# Altium PCB DustCollectorSwitch.PcbDoc
Units mil, origin at the board's own origin, x right, y up, seen from the top; angles counter-clockwise.
Board outline 2100 x 2705.2 mil, 2 copper layers (Top Layer, Bottom Layer); 59 components, 33 nets, 149 pads, 86 vias.
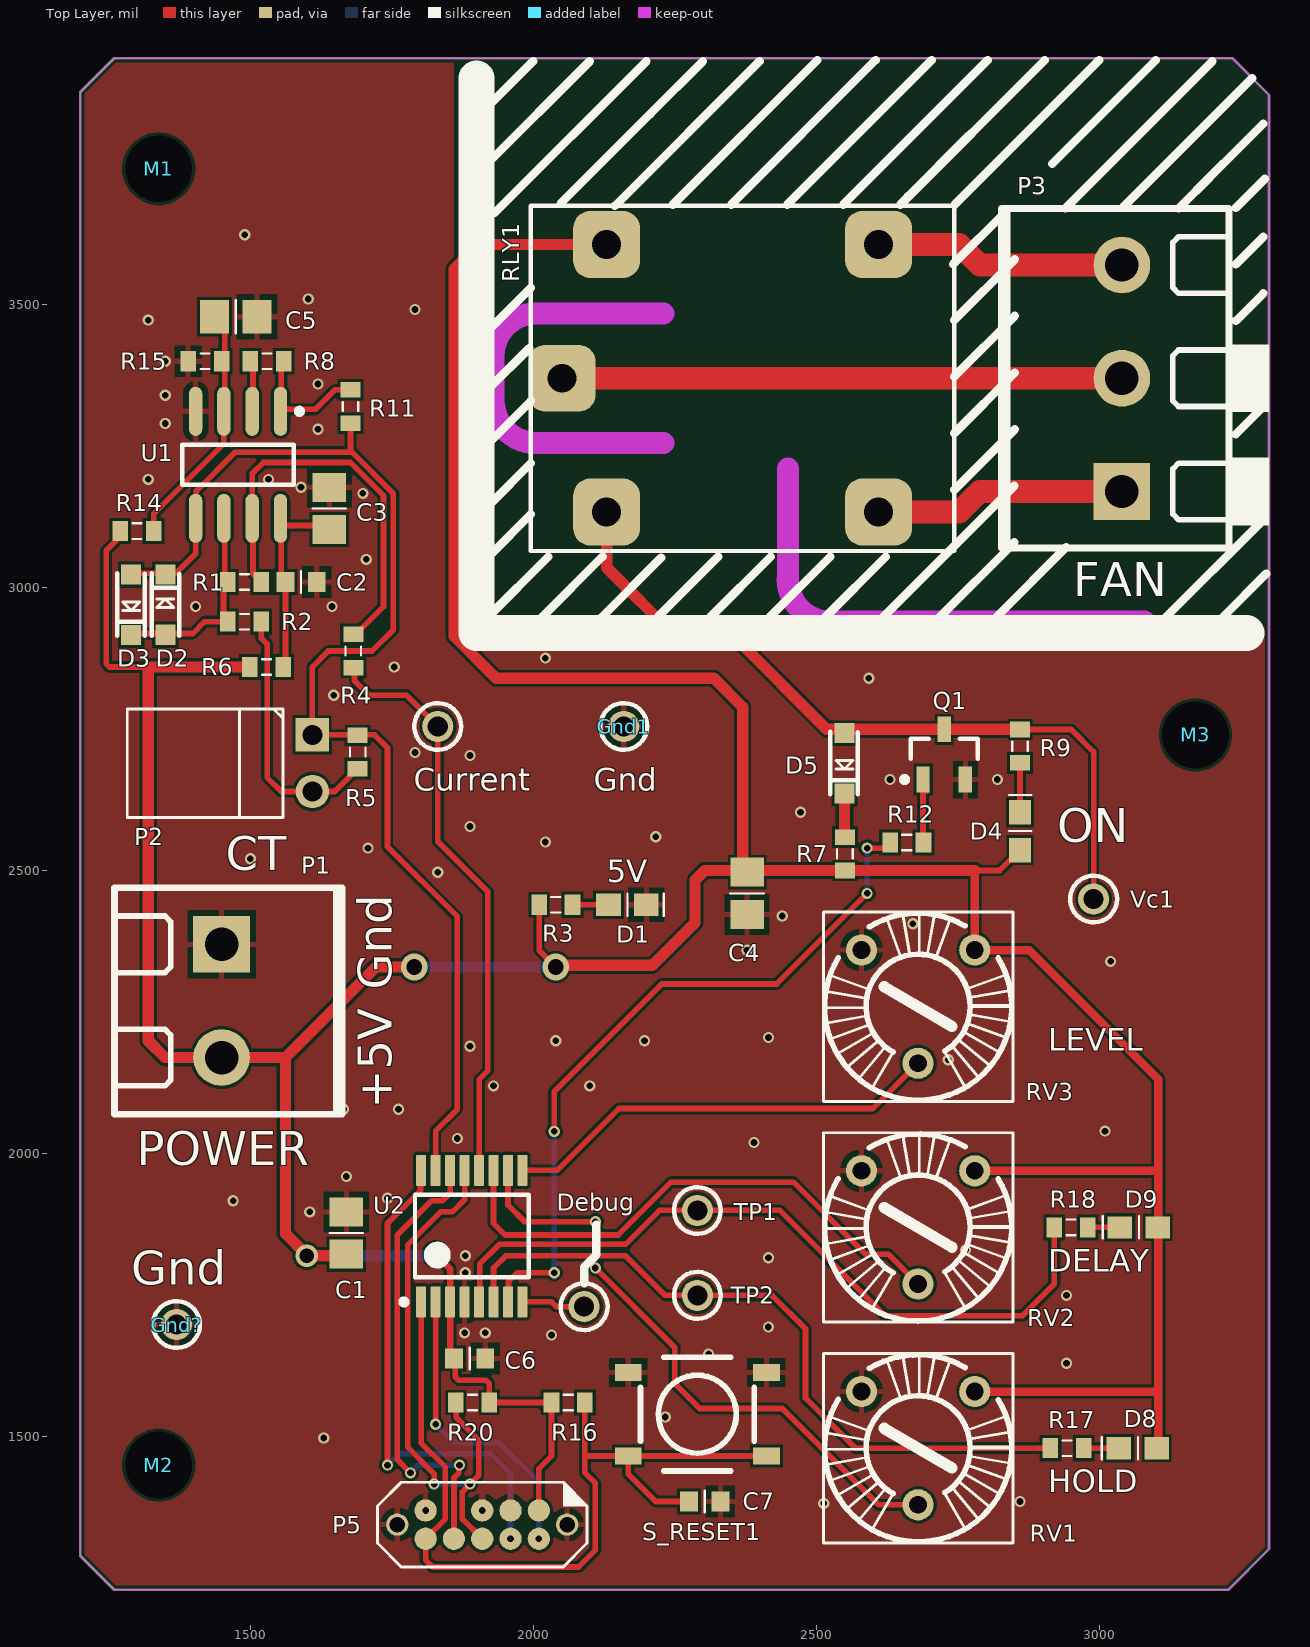
[diagram p0: Top Layer view]
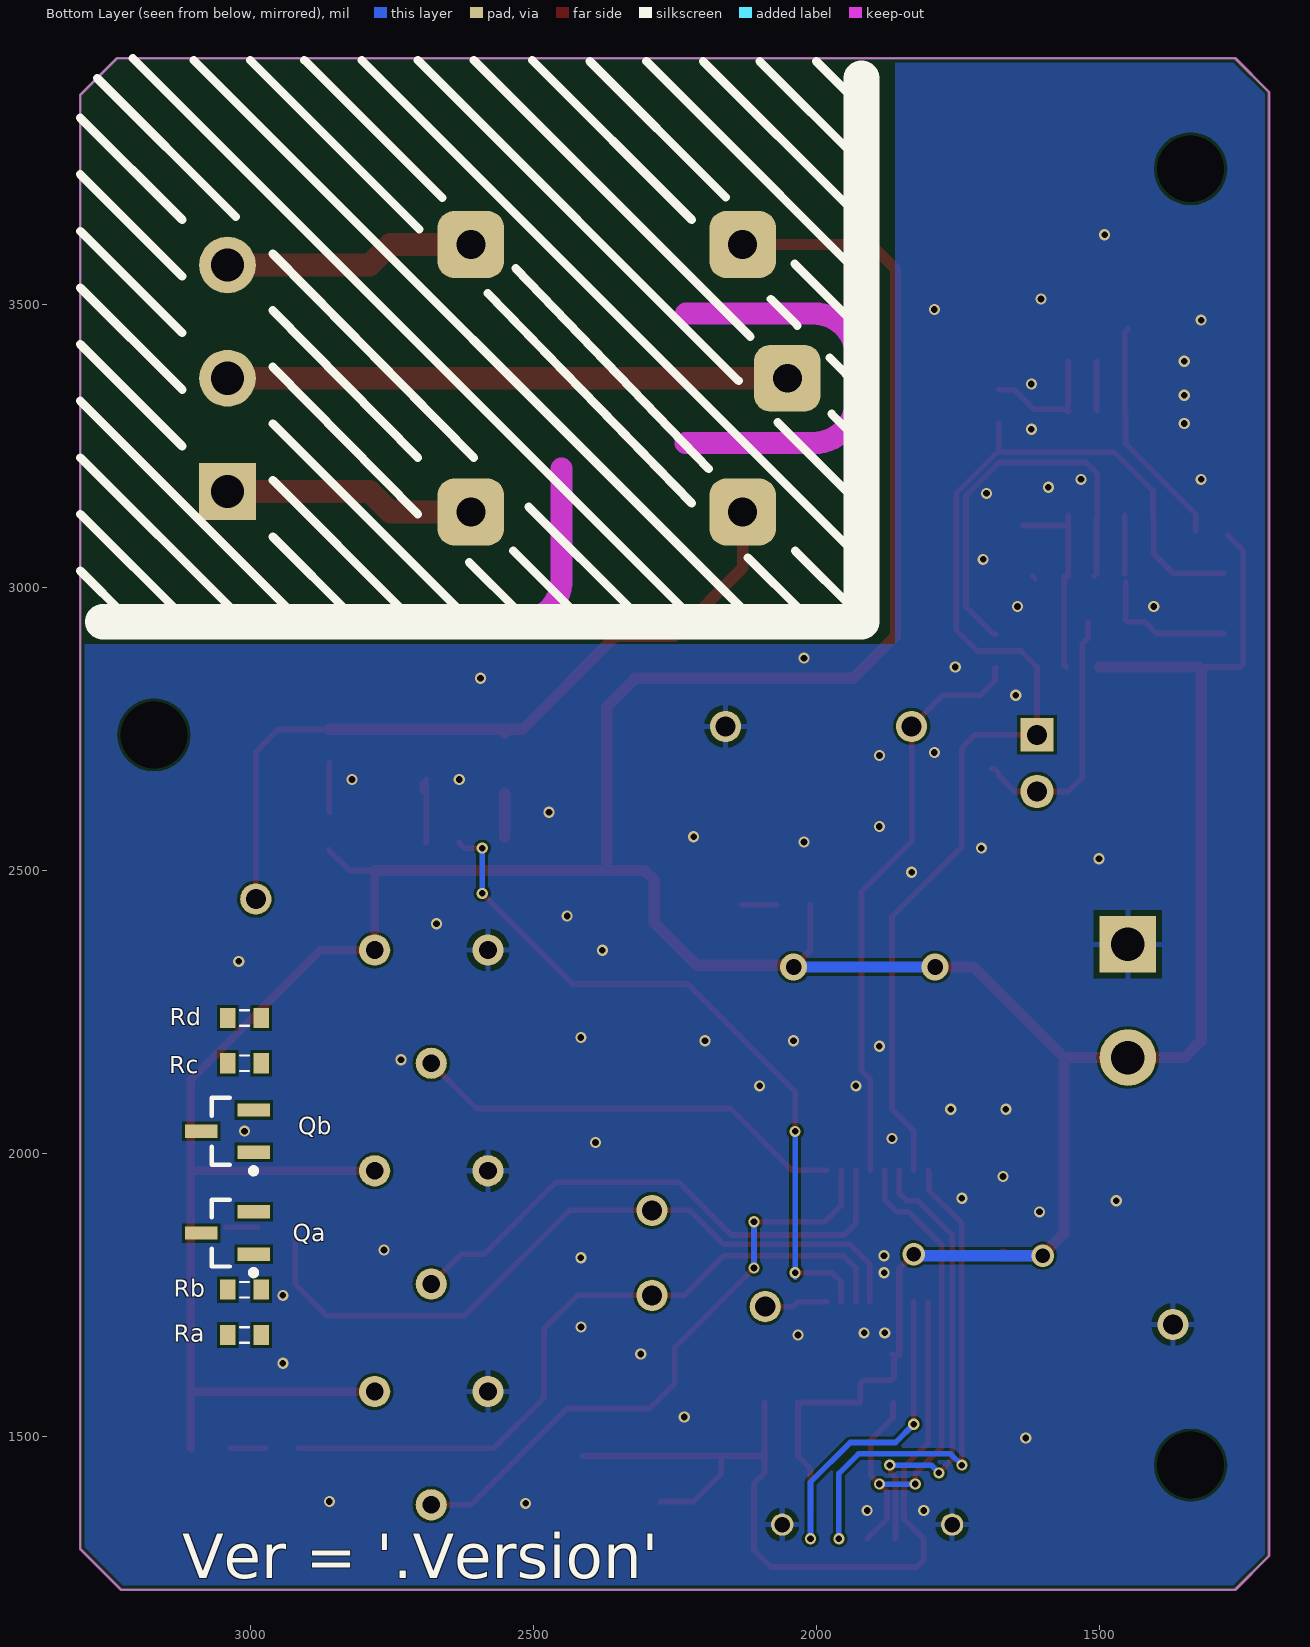
[diagram p1: Bottom Layer view, seen from below]
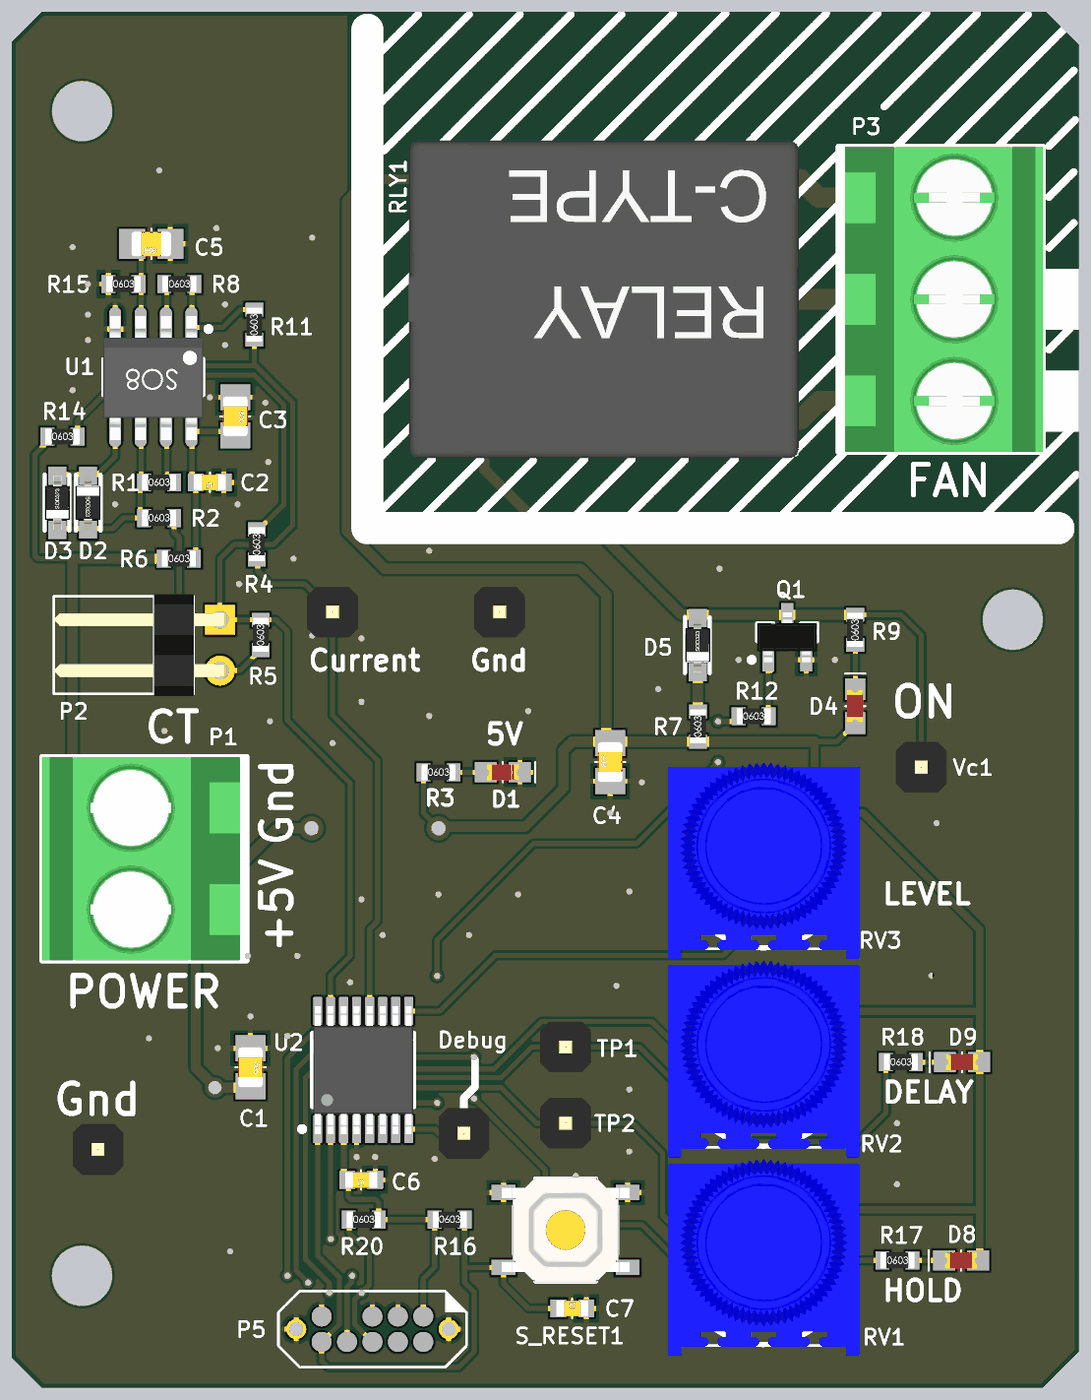
[diagram p2: 3D render of the assembled board from above, using the file's embedded part models]
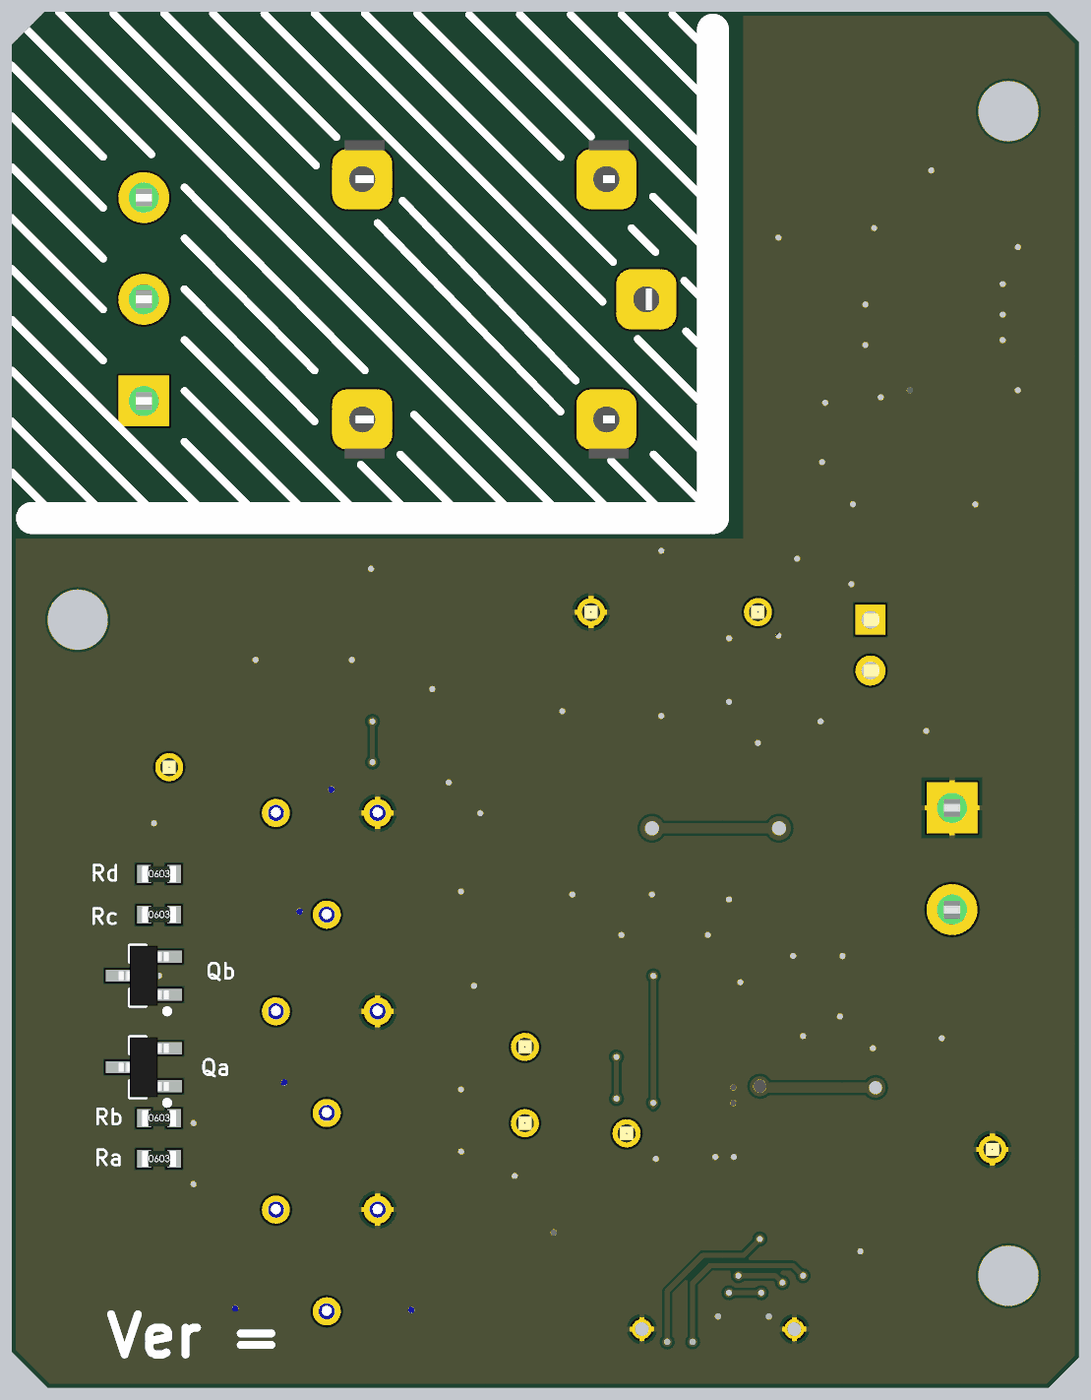
[diagram p3: 3D render of the assembled board from below, using the file's embedded part models]

## Layer stack, top to bottom
Top Solder: solder mask 0.4, Solder Resist, Dk 3.5
Top Layer: signal copper 1.4
Dielectric1: dielectric 12.6, FR-4, Dk 4.8
Bottom Layer: signal copper 1.4
Bottom Solder: solder mask 0.4, Solder Resist, Dk 3.5

## Board outline
1259.84,1230 1200,1289.84 1200,3875.35 1259.84,3935.2 3235.43,3935.2 3300,3870.63 3300,1301.65 3228.35,1230

## Design rules (kind name [scope] priority, off if disabled: settings)
Clearance [All] p1: gap=5 ignorepadtopadclearanceinfootprint=FALSE
HoleSize [All] p1: absolutevalues=TRUE maxlimit=137.8 minlimit=1 maxpercent=80.000 minpercent=20.000
MinimumSolderMaskSliver [All] p1 off: minsoldermaskwidth=10
PolygonConnect PolygonConnect_Via [IsPolygon vs IsVia] p1: connectstyle=Direct reliefconductorwidth=10 reliefentries=4 polygonreliefangle="90 Angle" airgapwidth=10
PolygonConnect [All] p2: connectstyle=Relief reliefconductorwidth=10 reliefentries=4 polygonreliefangle="90 Angle" airgapwidth=10
RoomDefinition DustCollectorSwitch [InComponentClass('DustCollectorSwitch')] p1: confinementstyle=ConfineIn formatcopy=TRUE lockcomponents=FALSE outline 1000,1099 3500,1099 3500,4165 1000,4165
RoutingVias [All] p1: holewidth=28 width=50 viastyle="Through Hole" minholewidth=28 minwidth=50 maxholewidth=28 maxwidth=50
SilkToSolderMaskClearance SilkscreenOverComponentPads [IsPad] p1 off: minsilkscreentomaskgap=10 clearancetoexposedcopper=TRUE
SolderMaskExpansion SolderMaskExpansion_Via [isVia] p1: expansion=4 istentingtop=TRUE
SolderMaskExpansion [All] p2: expansion=4 istentingtop=FALSE
Width [All] p1: maxlimit=40 minlimit=10 preferedwidth=10
27 further rules are at their usual default settings.

## Components (designator, comment, footprint, x,y, rotation, side; value= is the part's Value field where it differs from the comment)
C1 "2.2uF" CCNP2012-0805 1670,1860 r270 top
C2 "100nF" CCNP1608-0603_N 1590,3010 r180 top
C3 "1uF" CCNP2012-0805 1640,3140 r270 top
C4 "2.2uF" CCNP2012-0805 2377.84,2460 r90 top
C5 "1uF" CCNP2012-0805 1474.72,3478.78 r180 top
C6 "100nF" CCNP1608-0603_N 1887.76,1638.5 r180 top
C7 "100nF" CCNP1608-0603_N 2303.07,1385.82 r0 top
Current "" "PCBPIN - 0.9mm" 1831.46,2755 r90 top
D1 "LED Red" LED1608-0603-RED 2166.54,2440 r180 top
D2 "1N4148WS" SOD-323 1350,2970 r270 top
D3 "1N4148WS" SOD-323 1290,2970 r90 top
D4 "LED Red" LED1608-0603-RED 2860,2570 r270 top
D5 "1N4148WS" SOD-323 2550,2690 r90 top
D8 "LED Red" LED1608-0603-RED 3068.19,1480 r0 top
D9 "LED Red" LED1608-0603-RED 3070,1870 r0 top
Debug "Vdd" "PCBPIN - 0.9mm" 2090,1730 r0 top
Gnd1 "Gnd" "PCBPIN - 0.9mm" 2160,2755 r0 top
Gnd? "Gnd" "PCBPIN - 0.9mm" 1370,1698.31 r0 top
M1 "Mounting hole" "3mm hole" 1338.58,3740 r0 top
M2 "Mounting hole" "3mm hole" 1338.58,1450 r0 top
M3 "Mounting hole" "3mm hole" 3170,2740 r0 top
P1 "Terminal2_5.08mm" MOLEX-39544-3002 1449.53,2370 r180 top
P2 "Header, 2-Pin, Right Angle" HDR1X2H 1610,2740 r270 top
P3 "Terminal3_5.08mm" MOLEX-39544-3003 3040,3170 r0 top
P5 "SWD Connector 2x5-Pin" SWD-2x5-Jig-Pads 2010,1370 r180 top
Q1 "MMBT3904LT1G" SOT23_N 2726.13,2705.43 r270 top
Qa "DNP" SOT23_M 3040,1860 r180 bottom
Qb "DNP" SOT23_M 3040,2040 r180 bottom
R1 "10k" CR1608-0603_N 1490,3010 r0 top
R2 "5.6k" CR1608-0603_N 1490,2940 r0 top
R3 "1K" CR1608-0603_N 2040,2440 r0 top
R4 "470R" CR1608-0603_N 1682.28,2888.06 r90 top
R5 "51R" CR1608-0603_N 1690,2710 r90 top
R6 "220R" CR1608-0603_N 1529.09,2860 r0 top
R7 "220R" CR1608-0603_N 2550.63,2530 r90 top
R8 "1K" CR1608-0603_N 1530,3400 r0 top
R9 "1K" CR1608-0603_N 2860,2720 r90 top
R11 "0R" CR1608-0603_N 1677.28,3320 r90 top
R12 "220R" CR1608-0603_N 2660,2550 r0 top
R14 "10k" CR1608-0603_N 1300,3100 r0 top
R15 "5.6k" CR1608-0603_N 1420,3400 r0 top
R16 "10k" CR1608-0603_N 2061.84,1560.59 r0 top
R17 "1K" CR1608-0603_N 2943.19,1480 r0 top
R18 "1K" CR1608-0603_N 2950,1870 r0 top
R20 "2.2k" CR1608-0603_N 1892.72,1560.59 r0 top
Ra "DNP" CR1608-0603_N 3010,1680 r180 bottom
Rb "DNP" CR1608-0603_N 3010,1760 r180 bottom
Rc "DNP" CR1608-0603_N 3010,2160 r180 bottom
Rd "DNP" CR1608-0603_N 3010,2240 r180 bottom
RLY1 "ORWH-SH-105D1F,000" "RELAY - ORWH-SH" 2370,3370 r0 top
RV1 "1K" Bourne-3386F-1-xxxTLF 2680,1480 r270 top
RV2 "1K" Bourne-3386F-1-xxxTLF 2680,1870 r270 top
RV3 "1K" Bourne-3386F-1-xxxTLF 2680,2260 r270 top
S_RESET1 "SMD-SW-4_5.1x5.1x3.5_M" SMD-SW-4_5.1x5.1x3.5_M 2290,1540 r180 top
TP1 "" "PCBPIN - 0.9mm" 2290,1900 r0 top
TP2 "" "PCBPIN - 0.9mm" 2290,1750 r0 top
U1 "LM2904DR2G" "SOIC127P600-8N - ROT90" 1478.7,3217.13 r180 top
U2 "MKE04Z8VTG4" TSSOP16_N 1891.65,1854.53 r90 top
Vc1 "" "PCBPIN - 0.9mm" 2990,2450 r0 top

## Footprints (in the part's own frame and the unit in brackets; to place one, negate y for a bottom-side part, rotate by r counter-clockwise, add the part's x,y. Pads: shape width x height; smd on the part's side, far side on the other; paste and mask are expansions set on the pad)
"3mm hole" [mil]
  round 60 hole 118.11: 0(0,0)
Bourne-3386F-1-xxxTLF [mm] "Nourne 3386F-1-xxxTLF"
  round 1.4 hole 0.8: CCW(-2.54,-2.54) CW(-2.54,2.54) W(2.54,0)
  silkscreen extent -4.25,-4.25 4.25,4.25, body extent -5.08,-4.79 4.75,4.79, height 4.42
CCNP1608-0603_N [mm]
  rect 0.8x0.9 smd: 1(-0.7,0) 2(0.7,0)
  silkscreen extent 0,-0.48 0,0.48, body extent -0.8,-0.4 0.8,0.4, height 0.3
CCNP2012-0805 [mm]
  rect 1.3x1.5 smd: 1(-0.95,0) 2(0.95,0)
  silkscreen extent 0,-0.75 0,0.75, body extent -1,-0.62 1,0.63, height 0.78
CR1608-0603_N [mm]
  rect 0.7x0.9 smd: 1(-0.75,0) 2(0.75,0)
  silkscreen extent -0.2,-0.35 0.2,0.35, body extent -0.85,-0.4 0.85,0.4, height 0.56
HDR1X2H [mm] "Header; 2 Position; Right Angle"
  rect 1.5x1.5 hole 0.9: 1(0,0)
  round 1.5 hole 0.9: 2(2.54,0)
  silkscreen extent -1.17,-8.31 3.71,-1.32, body extent -1.27,-8.3 3.81,0.33, height 2.54
LED1608-0603-RED [mm] "SMT-LED 0603"
  rect 1.1x1 smd: A(0.85,0) K(-0.85,0)
  silkscreen extent -1.62,-0.5 0,0.5, body extent -0.8,-0.4 0.8,0.4, height 0.7
MOLEX-39544-3002 [mm] "Wire-To-Board Terminal Block"
  rect 2.54x2.54 hole 1.5: 1(0,0)
  round 2.54 hole 1.5: 2(0,5.08)
  silkscreen extent -5.4,-2.54 4.83,7.62, body extent -5.08,-2.54 4.83,7.62, height 14.6
MOLEX-39544-3003 [mm] "Wire-To-Board Terminal Block"
  rect 2.54x2.54 hole 1.5: 1(0,0)
  round 2.54 hole 1.5: 2(0,5.08) 3(0,10.16)
  silkscreen extent -5.4,-2.54 4.83,12.7, body extent -5.08,-2.54 4.83,12.7, height 14.6
"PCBPIN - 0.9mm" [mm]
  round 1.4 hole 0.9: 1(0,0)
  silkscreen extent -1.05,-1.05 1.05,1.05, body extent -1.27,-1.27 1.27,1.27, height 6
"RELAY - ORWH-SH" [mm] "Relay, PCB Mount, ORWH Series"
  rrect50% 3x3 hole 1.3: C1(-6.1,6) C2(-6.1,-6) COM(-8.1,0) NC(6.1,6) NO(6.1,-6)
  silkscreen extent -9.5,-7.75 9.5,7.75, body extent -9.88,-7.95 9.62,7.95, height 15
SMD-SW-4_5.1x5.1x3.5_M [mm] "Miniature SMD PCB Push Button - C318886"
  rect 1.2x0.762 smd: 1(3.1,-1.875) 1b(-3.1,-1.875) 2(3.1,1.875) 2b(-3.1,1.875)
  silkscreen extent -2.55,-2.55 2.55,2.55, body extent -3.2,-2.65 3.2,2.65, height 3.5
SOD-323 [mm]
  rect 0.9x0.9 smd: A(1.347,0.004) K(-1.353,0.004)
  silkscreen extent -1.4,-0.6 1.4,0.64, body extent -1.35,-0.62 1.35,0.63, height 1.1
"SOIC127P600-8N - ROT90" [mm] "SOIC, 8-Leads, Body 4.9x3.9mm, Pitch 1.27mm, IPC Medium Density"
  oval 0.6x2.2 smd: 1(-1.905,-2.4) 2(-0.635,-2.4) 3(0.635,-2.4) 4(1.905,-2.4) 5(1.905,2.4) 6(0.635,2.4) 7(-0.635,2.4) 8(-1.905,2.4)
  silkscreen extent -2.88,-2.52 2.5,0.9, body extent -2.5,-3.06 2.5,3.14, height 1.75
SOT23_M [mm] "SOT23, 3-Leads, Body 2.9x1.3mm, Pitch 0.95mm, Lead Span 2.3mm - IPC Low Density"
  rect 1.45x0.6 smd: 1(1.175,-0.95) 2(1.175,0.95) 3(-1.175,0)
  silkscreen extent -0.7,-1.9 1.29,1.5, body extent -1.25,-1.5 1.25,1.5, height 1.05
SOT23_N [mm] "SOT23, 3-Leads, Body 2.9x1.3mm, Pitch 0.95mm, Lead Span 2.3mm - IPC Medium Density"
  rect 1.15x0.6 smd: 1(1.125,-0.95) 2(1.125,0.95) 3(-1.125,0)
  silkscreen extent -0.7,-1.9 1.25,1.5, body extent -1.25,-1.5 1.25,1.5, height 1.05
SWD-2x5-Jig-Pads [mm] "Connector; SWD; 2x5 Position"
  round 1 hole 0.69: 0(-1.27,0.635) 0(6.35,0.635)
  round 1 smd: 1(0,0) 2(0,1.27) 3(1.27,0) 4(1.27,1.27) 5(2.54,0) 6(2.54,1.27) 8(3.81,1.27) 9(5.08,0) 10(5.08,1.27)
  silkscreen extent -2.16,-1.26 7.24,2.53
TSSOP16_N [mm] "SOP, 16-Leads, Body 5.1x4.5mm, Pitch 0.65mm, IPC Medium Density"
  rrect22% 1.4x0.45 smd: 1(-2.95,2.275) 2(-2.95,1.625) 3(-2.95,0.975) 4(-2.95,0.325) 5(-2.95,-0.325) 6(-2.95,-0.975) 7(-2.95,-1.625) 8(-2.95,-2.275) 9(2.95,-2.275) 10(2.95,-1.625) 11(2.95,-0.975) 12(2.95,-0.325) 13(2.95,0.325) 14(2.95,0.975) 15(2.95,1.625) 16(2.95,2.275)
  silkscreen extent -3.07,-2.55 1.85,3.17, body extent -3.2,-2.5 3.2,2.5, height 1.1

## Part data
C1 C4: library part Cap_CCNP_0805_2u2F, "50V 2.2uF X5R ±10% 0805 MLCC", LCSC=C377773, Manufacturer="Generic Components", Class=Passive, Published=08/06/2000, Publisher="Altium Hobart Technology Centre", SubClass=Capacitor
C2 C6 C7: library part Cap_CCNP_0603_100nF, "Capacitor non-polar SMT 0603", LCSC=C14663, Manufacturer="Generic Components", Class=Passive, Published=08/06/2000, Publisher="Altium Hobart Technology Centre", SubClass=Capacitor
C3 C5: library part Cap_CCNP_0805_1uF, "Capacitor non-polar SMT 0805", LCSC=C28323, Manufacturer="Generic Components", Class=Passive, Published=08/06/2000, Publisher="Altium Hobart Technology Centre", SubClass=Capacitor
Current Debug Gnd1 Gnd? TP1 TP2 Vc1: library part TP, "Test Point"
D1 D4 D8 D9: library part LED-0603-Red, "LED 0603 Red", LCSC=C2286, Manufacturer="Generic Components", Class I=Optoelectronic, Class II=LED, Farnell PN=1581239, Published=8-Jun-2000, Publisher="Altium Limited", Revision="July-2002: Re-released for DXP Platform."
D2 D3 D5: "Diode - Switching 100V 150mA 1.25V@150mA 4ns SOD-323", LCSC=C2128, Class=Discrete, Farnell PN=2889105, SubClass="Diode - Switching"
M1 M2 M3: library part Mounting_Hole
P1: "MULTICOMP MC24366 TERMINAL BLOCK EUROSTYLE, 2 POSITION, 26-12AWG, 5.08mm", Farnell PN=2396251
P2: library part "Header 1x2H", LatestRevisionDate=17-Jul-2002, LatestRevisionNote="Re-released for DXP Platform.", Publisher="Altium Limited"
P3: "MULTICOMP MC24367 TERMINAL BLOCK EUROSTYLE, 3 POSITION, 26-12AWG, 5.08mm"
P5: library part SWD2X5_JIG, Farnell PN=1865285, LatestRevisionDate=17-Jul-2002, LatestRevisionNote="Re-released for DXP Platform.", Publisher="Altium Limited"
Q1: "General Purpose Transistor, NPN Silicon, 3-Pin SOT-23, Pb-Free, Tape and Reel", LCSC=C20526, Manufacturer="On Semiconductor", ComponentLink1Description="Manufacturer URL", ComponentLink1URL=http://www.onsemi.com/, ComponentLink2Description=Datasheet, ComponentLink2URL=http://www.onsemi.cn/pub_link/Collateral/MMBT3904LT1-D.PDF, ComponentLink3Description="Package Specification", ComponentLink3URL=http://www.onsemi.cn/pub_link/Collateral/318-08.PDF, DatasheetVersion="Rev. 12", fT Min (MHz)=300, IC Continuous (A)=0.2, Mounting Technology="Surface Mount", PackageDescription="3-Pin Small Outline Transistor, Body 2.92 x 1.3 mm, Pitch 0.95 mm", PackageReference=SOT-23-3-318-08, PackageVersion="Rev. AP, 11/2009", Packing="Tape and Reel", PartNumber=MMBT3904LT1G, Polarity=NPN, RoHS=TRUE
Qa Qb: library part MMBT3904LT1G, "SOT23", ComponentLink1Description="Manufacturer URL", ComponentLink1URL=http://www.onsemi.com/, ComponentLink2Description=Datasheet, ComponentLink2URL=http://www.onsemi.cn/pub_link/Collateral/MMBT3904LT1-D.PDF, ComponentLink3Description="Package Specification", ComponentLink3URL=http://www.onsemi.cn/pub_link/Collateral/318-08.PDF
R1 R14 R16: library part Res_CR0603_10k, "100mW SMT ±1% 0603 Chip Resistor", LCSC=C25804, Manufacturer="Generic Components", Class=Passive, Published=08/06/2000, Publisher="Altium Hobart Technology Centre", SubClass=Resistor
R2 R15: library part Res_CR0603_5k6, "100mW SMT ±1% 0603 Chip Resistor", LCSC=C23189, Manufacturer="Generic Components", Class=Passive, Published=08/06/2000, Publisher="Altium Hobart Technology Centre", SubClass=Resistor
R3 R8 R9 R17 R18: library part Res_CR0603, "Resistor SMT 0603", LCSC=C21190, Manufacturer="Generic Components", Class=Passive, Published=08/06/2000, Publisher="Altium Hobart Technology Centre", SubClass=Resistor
R4: library part Res_CR0603_470R, "Resistor SMT 0603", LCSC=C23179, Manufacturer="Generic Components", Class=Passive, Published=08/06/2000, Publisher="Altium Hobart Technology Centre", SubClass=Resistor
R5: library part Res_CR0603_51R, "100mW SMT ±1% 0603 Chip Resistor", LCSC=C23197, Manufacturer="Generic Components", Class=Passive, Published=08/06/2000, Publisher="Altium Hobart Technology Centre", SubClass=Resistor
R6 R7 R12: library part Res_CR0603_220R, "Resistor SMT 0603", LCSC=C22962, Manufacturer="Generic Components", Class=Passive, Published=08/06/2000, Publisher="Altium Hobart Technology Centre", SubClass=Resistor
R11: library part Res_CR0603_0R, "100mW SMT ±1% 0603 Chip Resistor", LCSC=C21189, Manufacturer="Generic Components", Class=Passive, Published=08/06/2000, Publisher="Altium Hobart Technology Centre", SubClass=Resistor
R20: library part Res_CR0603_2k2, "100mW SMT ±1% 0603 Chip Resistor", LCSC=C4190, Manufacturer="Generic Components", Class=Passive, Published=08/06/2000, Publisher="Altium Hobart Technology Centre", SubClass=Resistor
Ra Rb Rc Rd: library part Res_CR0603, "Resistor SMT 0603", Manufacturer="Generic Components", Class=Passive, Published=08/06/2000, Publisher="Altium Hobart Technology Centre", SubClass=Resistor
RLY1: library part "Relay - ORWH-SH-105D1F", "Relay, ORWH Series, Power, Non Latching, SPDT, 5 VDC, 10 A", Farnell PN=1181034
RV1 RV2 RV3: library part POT_BOURNS_3386F-1-xxxTLF, "Trim Pot - single turn horizontal", Farnell PN="9354298 or similar"
S_RESET1: library part SW_PB-TS, "Tactile Switch SPST 5.10mm X 5.10mm / (1.5mm=C318884) / (2.0mm=C318888) / (3.5mm=C318886)", LCSC=C318886, Revision=1.0
U1: "Single Supply Dual Operational Amplifier, 3 to 32 V, -40 to 105 degC, 8-Pin SOIC, Pb-Free, Tape and Reel", LCSC=C18229, Manufacturer="On Semiconductor", ComponentLink1Description="Manufacturer URL", ComponentLink1URL=http://www.onsemi.com/, ComponentLink2Description=Datasheet, ComponentLink2URL=http://www.onsemi.cn/pub_link/Collateral/LM358-D.PDF, ComponentLink3Description="Package Specification", ComponentLink3URL=http://www.onsemi.com/pub_link/Collateral/751-07.PDF, DatasheetVersion="Rev. 27", Mounting Technology="Surface Mount", PackageDescription="8-Pin Small Outline Integrated Circuit, Body 4.9 x 3.9 mm, Pitch 1.27 mm", PackageReference=SOIC-8-751-07, PackageVersion="Rev. AK, 02/2011", Packing="Tape and Reel", PartNumber=LM2904DR2G, RoHS=TRUE, VCC Max (V)=32, VCC Min (V)=3
U2: "Kinetis ARM uC"

## Via types
v1: diameter 19.68, hole 11.81, Top Layer to Bottom Layer, tented both sides, 82 vias
v2: diameter 47.24, hole 27.56, Top Layer to Bottom Layer, tented both sides, 2 vias
v3: diameter 39.37, hole 25.59, Top Layer to Bottom Layer, tented both sides, 2 vias

## Nets (pads, with @x,y where several pads share a name; then routed paths per layer and width w, separated by ;. In a path a pad name is that pad's centre, name@x,y a point inside that pad or via, vN(x,y) a via of type N, cw(c..) or ccw(c..) an arc to the next point about the centre after c; other vN are vias at no path point)
5V: C1.2 C4.2 C6.2 D4.A D8.A D9.A P1.2 P5.1 R3.1 R6.1 R7.1 R14.1 R16.1 R20.2 RLY1.C1 RV1.CW RV2.CW RV3.CW U2.3 | length 7956.4
  Top Layer w10: R14.1@1272.76,3092.28 1245.66,3065.18 1245.66,2865.86 1251.51,2860 1323.83,2860 ; C6.2 1862.53,1636.18 1862.53,1605.86 1868.39,1600 1916.39,1600 1922.24,1594.14 R20.2 2010.47,1560.59 ; C6.2@1864.17,1646.22 C6.2@1866.14,1646.22 ; P5.1 2010,1443.87 2032.32,1466.18 R16.1 2010.47,1560.59 ; 2010,1560.12 2010.47,1560.59 ; R3.1 2010.47,2359.53 2037.2,2332.8 v2(2040,2330) ; 2780,2500.47 2823.94,2500.47 2843.35,2519.88 2845.31,2519.88 2860,2534.57 D4.A
  Top Layer w11.81: v3(1827.68,1822.6) 1853.27,1797.01 U2.3 C6.2@1853.27,1645.44
  Top Layer w15: RV1.CW 3104.46,1580 ; RV2.CW 3104.46,1970 ; 2780,2500.47 RV3.CW 2876.02,2360 3104.46,2131.56 3104.46,1970 ; D8.A@3104.46,1480 3104.46,1580 ; 3104.46,1580 3104.46,1970
  Top Layer w20: R6.1 1323.83,2860 1320,2856.17 1320,2199.62 1349.62,2170 1562.44,2170 ; C1.2 1667.4,1820 v3(1600,1820) 1600,1821.4 1562.44,1858.96 1562.44,2170 ; v2(1790,2330) 1722.44,2330 1562.44,2170 ; v2@2037.2,2332.8 2210.44,2332.8 2285.92,2408.28 2285.92,2483.33 2303.07,2500.47 R7.1 2780,2500.47 ; RLY1.C1 1903.5,3606.22 1860,3562.72 1860,2914.45 1934.45,2840 2319.41,2840 2370,2789.41 C4.2@2370,2517.4
  Bottom Layer w20: v3(1600,1820) 1825.08,1820 v3(1827.68,1822.6) ; v2(1790,2330) v2(2040,2330)
5Vf: C2.2 C3.2 R6.2 U1.8 | length 351.4
  Top Layer w10: C2.2@1555,3020 U1.8@1555,3116.29 ; U1.8@1555,3127.48 U1.8@1555,3116.29 ; R6.2 1562.44,2863.83 C2.2@1562.44,3020 ; C3.2@1634.75,3110 1561.29,3110 U1.8@1555,3116.29
AC2: P2.2 R2.2 R5.1 | length 468.8
  Top Layer w10: R2.2 1519.53,2911.18 1530,2900.71 1530,2665 1555,2640 P2.2 1649.53,2640 1677.28,2667.76 1677.28,2671.69 1686.06,2680.47 R5.1
AC_Sample2: D2.A D3.K R1.1 R2.1 U1.6 | length 353.1
  Top Layer w10: D3.K@1279.85,2919.03 D2.A@1339.95,2919.03 ; D2.A@1340.15,2919.24 1398.91,2919.24 1419.67,2940 1450.47,2940 1453.07,2942.6 R1.1@1453.07,3010 ; R1.1@1455,3024.53 U1.6@1455,3127.48
COM: P3.2 RLY1.COM | length 988.9
  Top Layer w40: RLY1.COM P3.2
Debug: Debug.1 U2.8 | length 112.3
  Top Layer w10: U2.8 2032.38,1738.39 2040.77,1730 Debug.1
DelayControl: RV2.W U2.11 | length 965.2
  Top Layer w10: U2.11 1930.04,1877.12 1950.46,1856.7 2150,1856.7 2243.3,1950 2459.62,1950 2587.02,1822.6 2627.4,1822.6 RV2.W
DelayLed: R18.1 TP1.1 U2.5 | length 1321.9
  Top Layer w10: U2.5 1905.35,1739.29 1905.35,1805.35 1940,1840 2163.25,1840 2223.25,1900 TP1.1 2435.75,1900 2621.69,1714.05 2864.53,1714.05 2920.47,1770 R18.1
GND: C1.1 C2.1 C3.1 C4.1 C5.1 C6.1 C7.2 D1.K Gnd1.1 Gnd?.1 P1.1 P5.0 P5.3 P5.5 P5.9 Q1.2 R15.1 RV1.CCW RV2.CCW RV3.CCW S_RESET1.1 S_RESET1.1b U1.4 U2.4 | length 5.5
  Top Layer w10: C2.1@1613.7,3016.14 C2.1@1617.56,3020
  other v1: 1810,1370 1910,1370 2513.34,1382.58 2860,1385.82 1630,1498.02 2233.25,1535 2942.13,1630 2309.99,1646.22 2032.32,1679.99 1878.86,1683.74 1915.32,1683.74 2415.39,1694.17 2942.13,1750 1880,1790 2415.71,1816.27 1880.21,1820 2763.53,1830 1605.45,1897.4 1470,1917.01 1742.72,1921.45 1670,1960 2390,2020 1866.06,2027 3010,2040 1665,2078.76 1762.26,2078.76 1930,2120 2100,2120 2733.34,2166.27 1888.48,2190 2040,2199.62 2196.57,2199.62 2415.71,2205.47 3020,2340 2377.84,2359.53 2670.78,2406.27 2440,2420 1831.46,2497.4 1500.47,2521.25 1708.23,2540 2021.61,2550.8 2216.56,2560.16 1888.48,2578.31 2472.2,2603.46 2630.47,2661.14 2820,2661.14 1888.28,2703.46 1791.26,2708.86 1647.63,2810 2592.95,2840 1754.53,2860 2021.61,2875.66 1403.7,2966.88 1644.53,2966.88 1705.12,3050 1699.18,3166.69 1590,3177.4 1320,3191.39 1532.37,3191.39 1620,3280 1350,3290 1350,3340 1620,3360 1350,3400 1320,3472.72 1791.26,3491.42 1602.79,3510 1490.47,3623.5
HoldControl: RV1.W U2.10 | length 1090.3
  Top Layer w10: U2.10 1955.63,1909.37 1985,1880 v1(2109.83,1880) ; v1(2109.83,1798.31) 2250,1658.15 2250,1594.14 2294.14,1550 2440,1550 2610,1380 RV1.W
  Bottom Layer w10: v1(2109.83,1798.31) v1(2109.83,1880)
HoldLed: R17.1 TP2.1 U2.6 | length 1265
  Top Layer w10: U2.6 1930.04,1798.31 1951.72,1820 2163.25,1820 2233.25,1750 TP2.1 2421.88,1750 2480.94,1690.95 2480.94,1568.68 2569.62,1480 R17.1
ISample: Current.1 R4.1 U2.12 | length 1031.8
  Top Layer w10: R4.1 1684.28,2856.52 1684.28,2835.61 1709.89,2810 1776.46,2810 Current.1 1831.46,2551.59 1920,2463.05 1920,2147.11 1904.45,2131.56 U2.12
LevelControl: RV3.W U2.9 | length 777.2
  Top Layer w10: U2.9 2042.36,1970.67 2151.69,2080 2600,2080 RV3.W
N/C: P3.3 RLY1.NC | length 444.8
  Top Layer w40: RLY1.NC 2752.6,3606.22 2788.82,3570 P3.3
N/O: P3.1 RLY1.NO | length 444.8
  Top Layer w40: RLY1.NO 2752.6,3133.78 2788.82,3170 P3.1
NetC5_2: C5.2 R14.2 R15.2 U1.3 | length 410.8
  Top Layer w10: R14.2 1329.53,3130.44 1453.7,3254.61 U1.3 ; C5.2@1449.53,3457.13 1455,3451.65 U1.3@1455,3311.61
NetD1_A: D1.A R3.2 | length 62.2
  Top Layer w10: R3.2 D1.A@2131.69,2440
NetD4_K: D4.K R9.1 | length 87
  Top Layer w10: D4.K R9.1
NetD5_K: D5.K R7.2 | length 77.5
  Top Layer w20: D5.K@2550,2636.75 2550,2560.16 R7.2
NetD8_K: D8.K R17.2 | length 62
  Top Layer w10: R17.2 D8.K
NetD9_K: D9.K R18.2 | length 57
  Top Layer w10: R18.2@2986.31,1870 D9.K@3043.31,1870
NetQ1_1: Q1.1 R12.2 | length 134.8
  Top Layer w10: R12.2 2688.72,2550.8 Q1.1 2695.54,2654.33 Q1.1@2695.54,2640.59
NetR1_2: R1.2 R4.2 U1.7 | length 717.2
  Top Layer w10: U1.7 1503.7,3127.48 1503.7,3201.57 1523.34,3221.21 1677.1,3221.21 1735.51,3162.81 1735.51,2966.88 1686.21,2917.59 R4.2 ; U1.7@1505,3122.64 1505,3024.53 R1.2@1509.53,3020
NetR8_1: R8.1 U1.2 | length 87.5
  Top Layer w10: U1.2@1505,3312.52 R8.1@1505,3400
NetR8_2: R8.2 R11.2 U1.1 | length 224.3
  Top Layer w10: U1.1 1556.59,3311.61 1559.99,3315.01 1615.01,3315.01 1649.53,3349.53 R11.2 ; U1.1@1555,3315.01 1555,3320 R8.2@1555,3400
RELAY: D5.A Q1.3 R9.2 RLY1.C2 Vc1.1 | length 1354.8
  Top Layer w10: R9.2 2950.47,2749.53 2990,2710 Vc1.1
  Top Layer w20: RLY1.C2 2129.84,3035.16 2250.55,2914.45 2354.05,2914.45 2518.72,2749.78 2543.11,2749.78 D5.A ; D5.A@2551.3,2749.72 Q1.3 2859.8,2749.72 R9.2
RelayDrive: R12.1 U2.7 | length 1274.4
  Top Layer w10: U2.7 1956.33,1739.09 1956.33,1774.17 1972.16,1790 v1(2037.2,1790) ; v1(2037.2,2039.59) 2037.2,2110.2 2227,2300 2430,2300 v1(2590,2460) ; v1(2590,2540) 2621.69,2540 2630.47,2548.78 R12.1
  Bottom Layer w10: v1@2037.2,1782.33 v1(2037.2,1790) v1(2037.2,2039.59) ; v1(2590,2460) v1(2590,2540)
RESETb: C7.1 P5.10 R16.2 S_RESET1.2 S_RESET1.2b U2.1 | length 1554
  Top Layer w10: U2.1 1802.09,1489.37 1844.92,1446.54 1844.92,1354.92 P5.10 1810,1282.52 1822.52,1270 2080,1270 2109.83,1299.83 2109.83,1417.95 2091.37,1436.41 2091.37,1466.18 ; R16.2 2091.37,1466.18 ; C7.1 2216.56,1385.82 2167.95,1434.43 S_RESET1.2 ; S_RESET1.2b S_RESET1.2 ; 2091.37,1466.18 S_RESET1.2
SWD_CLK: P5.4 U2.16 | length 900.5
  Top Layer w10: v1(1742.7,1449.99) 1742.72,1877.34 1800.82,1935.44 1800.82,1969.41 U2.16
  Bottom Layer w10: v1(1742.7,1449.99) 1762.72,1470 1925.32,1470 1960,1435.32 v1(1960,1320)
SWD_DIO: P5.2 U2.2 | length 540.8
  Top Layer w10: v1(1827.68,1522.28) U2.2
  Bottom Layer w10: v1(1827.68,1522.28) 1859.96,1490 1940,1490 2010,1420 v1(2010,1320)
SWD_Rx: P5.8 U2.14 | length 820.5
  Top Layer w10: v1(1783.3,1436.41) 1760,1459.72 1760,1856.7 1820.31,1917.01 1839.93,1917.01 1853.27,1930.35 U2.14 ; P5.8 1860,1427.73 1868.57,1436.3 1868.57,1448.57 v1(1870,1450)
  Bottom Layer w10: v1(1783.3,1436.41) 1796.89,1450 v1(1870,1450)
SWD_Tx: P5.6 R20.1 U2.13 | length 975.1
  Top Layer w10: v1(1825.08,1416.57) 1825.08,1434.92 1778.18,1481.82 1778.18,1838.99 1836.59,1897.4 1857.33,1897.4 1878.86,1918.93 U2.13 ; R20.1 1864.29,1559.49 1864.29,1533.73 1903.71,1494.32 1903.71,1431.8 v1(1888.48,1416.57) 1875,1403.1 1875,1355 P5.6
  Bottom Layer w10: v1(1825.08,1416.57) 1887.1,1416.57 v1@1888.48,1417.95
Vref: D2.K D3.A P2.1 R5.2 R11.1 U1.5 U2.15 | length 2194.8
  Top Layer w10: D3.A@1279.85,3025.33 D2.K@1339.95,3025.33 ; D2.K@1340.15,3025.54 1369.23,3025.54 1403.7,3060 U1.5 1405,3123.94 1405,3170.83 1473.7,3239.53 1680,3239.53 ; R11.1 1677.28,3242.24 1680,3239.53 ; U2.15 1827.68,2040.3 1866.14,2078.76 1866.14,2418.9 1742.72,2542.32 1742.72,2717.28 1720,2740 1690,2740 P2.1 1610,2860 1638.06,2888.06 1715.43,2888.06 1752.84,2925.47 1752.84,3166.69 1680,3239.53
pads on no net: M1.0 M2.0 M3.0 Qa.1 Qa.2 Qa.3 Qb.1 Qb.2 Qb.3 Ra.1 Ra.2 Rb.1 Rb.2 Rc.1 Rc.2 Rd.1 Rd.2

## Polygon pours and split planes (outlines as drawn)
GND on Bottom Layer "tga" (solid, remove dead copper, pour order 0): 1860,2900 1860,3930 1200,3930 1200,1230 3300,1230 3300,2900
GND on Top Layer "GND_L01_P002" (solid, remove dead copper, pour order 2): 1860,2930 1860,3940 1200,3940 1200,3910 1200,1230 3300,1230 3300,2930

## Keep-outs
Keep-Out Layer:
  lines w5: 1200,1289.84 1200,3875.35 1259.84,3935.2 3235.43,3935.2 3300,3870.63 3300,1301.65 3228.35,1230 2700,1230 1350,1230 1259.84,1230 1200,1289.84
  lines w39.37: 1929.83,3409.33 cw(c2005,3409.33) 2005,3484.5 ; 1930,3409.33 1930,3330.67 ccw(c2005.18,3330.67) 2005.18,3255.5 ; 2005,3484.33 2230.16,3484.33 ; 2005.18,3255.67 2230.34,3255.67 ; 2449.83,3015 ccw(c2525,3015) 2525,2939.83 ; 2450,3015 2450,3210 ; 2525,2940 3080,2940

## Silkscreen, mask and mechanical layers (free items; w line width, h text height)
Top Overlay:
  rectangle: 3228.98,3110 3300,3230
  rectangle: 3228.98,3310 3300,3430
  lines w15: 1916.5,3746.5 2100,3930 ; 1919.84,2947.72 2027,3054.88 ; 1922.21,3352.21 1992.99,3422.99 ; 1923.14,3853.14 2000,3930 ; 1925.21,3059.22 1995.98,3130 ; 1925.21,3149.22 1995.98,3220 ; 1925.21,3259.22 1995.98,3330 ; 1925.21,3459.22 1995.98,3530 ; 1932.56,3662.56 2200,3930 ; 2015.37,2947.72 2122.54,3054.88 ; 2048.5,3678.5 2206.57,3836.57 2300,3930 ; 2090,1771.34 2090,1800 2111.46,1821.46 2111.46,1856.46 2111.46,1875 ; 2118.84,2945.84 2226,3053 ; 2144.5,3674.5 2400,3930 ; 2219.84,2947.72 2327,3054.88 ; 2246.5,3676.5 2502,3932 ; 2312.84,2947.72 2420,3054.88 ; 2349.5,3676.5 2605,3932 ; 2417.76,2947.72 2524.92,3054.88 ; 2448.5,3676.5 2704,3932 ; 2516.05,2947.72 2623.21,3054.88 ; 2547.5,3676.5 2803,3932 ; 2617.71,2947.71 2850,3180 ; 2648.5,3676.5 2904,3932 ; 2661.89,3691.34 2769.06,3798.5 ; 2717.01,2947.01 2850,3080 ; 2741.89,3571.34 2835.26,3664.7 ; 2743.86,3172.84 2851.02,3280 ; 2743.86,3272.84 2851.02,3380 ; 2743.86,3372.84 2851.02,3480 ; 2743.86,3472.84 2851.02,3580 ; 2744.5,3676.5 3000,3932 ; 2820,2950 2941.46,3071.46 ; 2917.25,3749.25 3100,3932 ; 2940,3670 3200,3930 ; 3041.99,3671.99 3270,3900 ; 3109.12,2939.12 3290,3120 ; 3140,3670 3290,3820 ; 3161.3,3791.3 3220,3850 ; 3171.3,3701.3 3220,3750 ; 3218.25,2948.25 3295,3025 ; 3241.3,3271.3 3290,3320 ; 3241.3,3471.3 3290,3520 ; 3241.3,3571.3 3290,3620 ; 3241.3,3671.3 3292.5,3722.5
  lines w62.99: 1900,3900 1900,2920 3260,2920
  text "FAN" at 2953.87,2985 h60
  text "ON" at 2926.13,2550 h60
  text "CT" at 1456.77,2500.47 h60
  text "5V" at 2130,2480 h40
  text "Gnd" at 1750,2290 h60 r90
  text "LEVEL" at 2909.7,2181.84 h40
  text "+5V" at 1750,2080 h60 r90
  text "POWER" at 1300,1980 h60
  text "DELAY" at 2909.7,1791.84 h40
  text "HOLD" at 2909.7,1401.84 h40
Bottom Overlay:
  lines w15: 1916.5,3746.5 2100,3930 ; 1918.25,3548.25 2206.57,3836.57 2300,3930 ; 1922.21,3352.21 1976.5,3406.5 ; 1923.14,3853.14 2000,3930 ; 1925.21,3149.22 2067.99,3292.01 ; 1925.21,3259.22 1972.99,3307.01 ; 1925.21,3459.22 2037.99,3572.01 ; 1927.94,3056.94 2803,3932 ; 1929.84,2957.72 2037,3064.88 ; 1932.56,3662.56 2200,3930 ; 2025.37,2957.72 2120.55,3052.89 ; 2033.11,3463.11 2080,3510 ; 2080,2947.71 2115.71,2947.71 3100,3932 ; 2116.5,3443.5 2605,3932 ; 2137.27,3365.27 2704,3932 ; 2160,3690 2400,3930 ; 2190,3210 2530.83,3563.94 ; 2219.92,3149.22 2580,3520 ; 2219.92,3649.92 2502,3932 ; 2229.84,2957.72 3207.06,3934.94 ; 2322.84,2957.72 2508.17,3143.05 ; 2427.76,2957.72 2534.92,3064.88 ; 2526.05,2957.72 2613.02,3044.69 ; 2605,3230 2960,3590 ; 2617.71,2947.71 2960,3290 ; 2661,3689 2904,3932 ; 2701,3633 3000,3932 ; 2704,3130 2960,3390 ; 2704,3230 2960,3490 ; 2727.01,2957.01 2960,3190 ; 2817.5,2947.5 2960,3090 ; 2915,2945 3300,3330 ; 3021.62,2951.62 3300,3230 ; 3025,3655 3270,3900 ; 3109.12,2939.12 3300,3130 ; 3120,3250 3300,3430 ; 3120,3350 3300,3530 ; 3120,3450 3300,3630 ; 3120,3550 3300,3730 ; 3120,3650 3300,3830 ; 3218.25,2948.25 3300,3030
  lines w62.99: 1920,3900 1920,2940 3260,2940
  text "Ver = '.Version'" at 3120,1250 h78.74